# Altium PCB radxa_cm4_io_v1.10.PcbDoc (part 3 of 8) (continued)
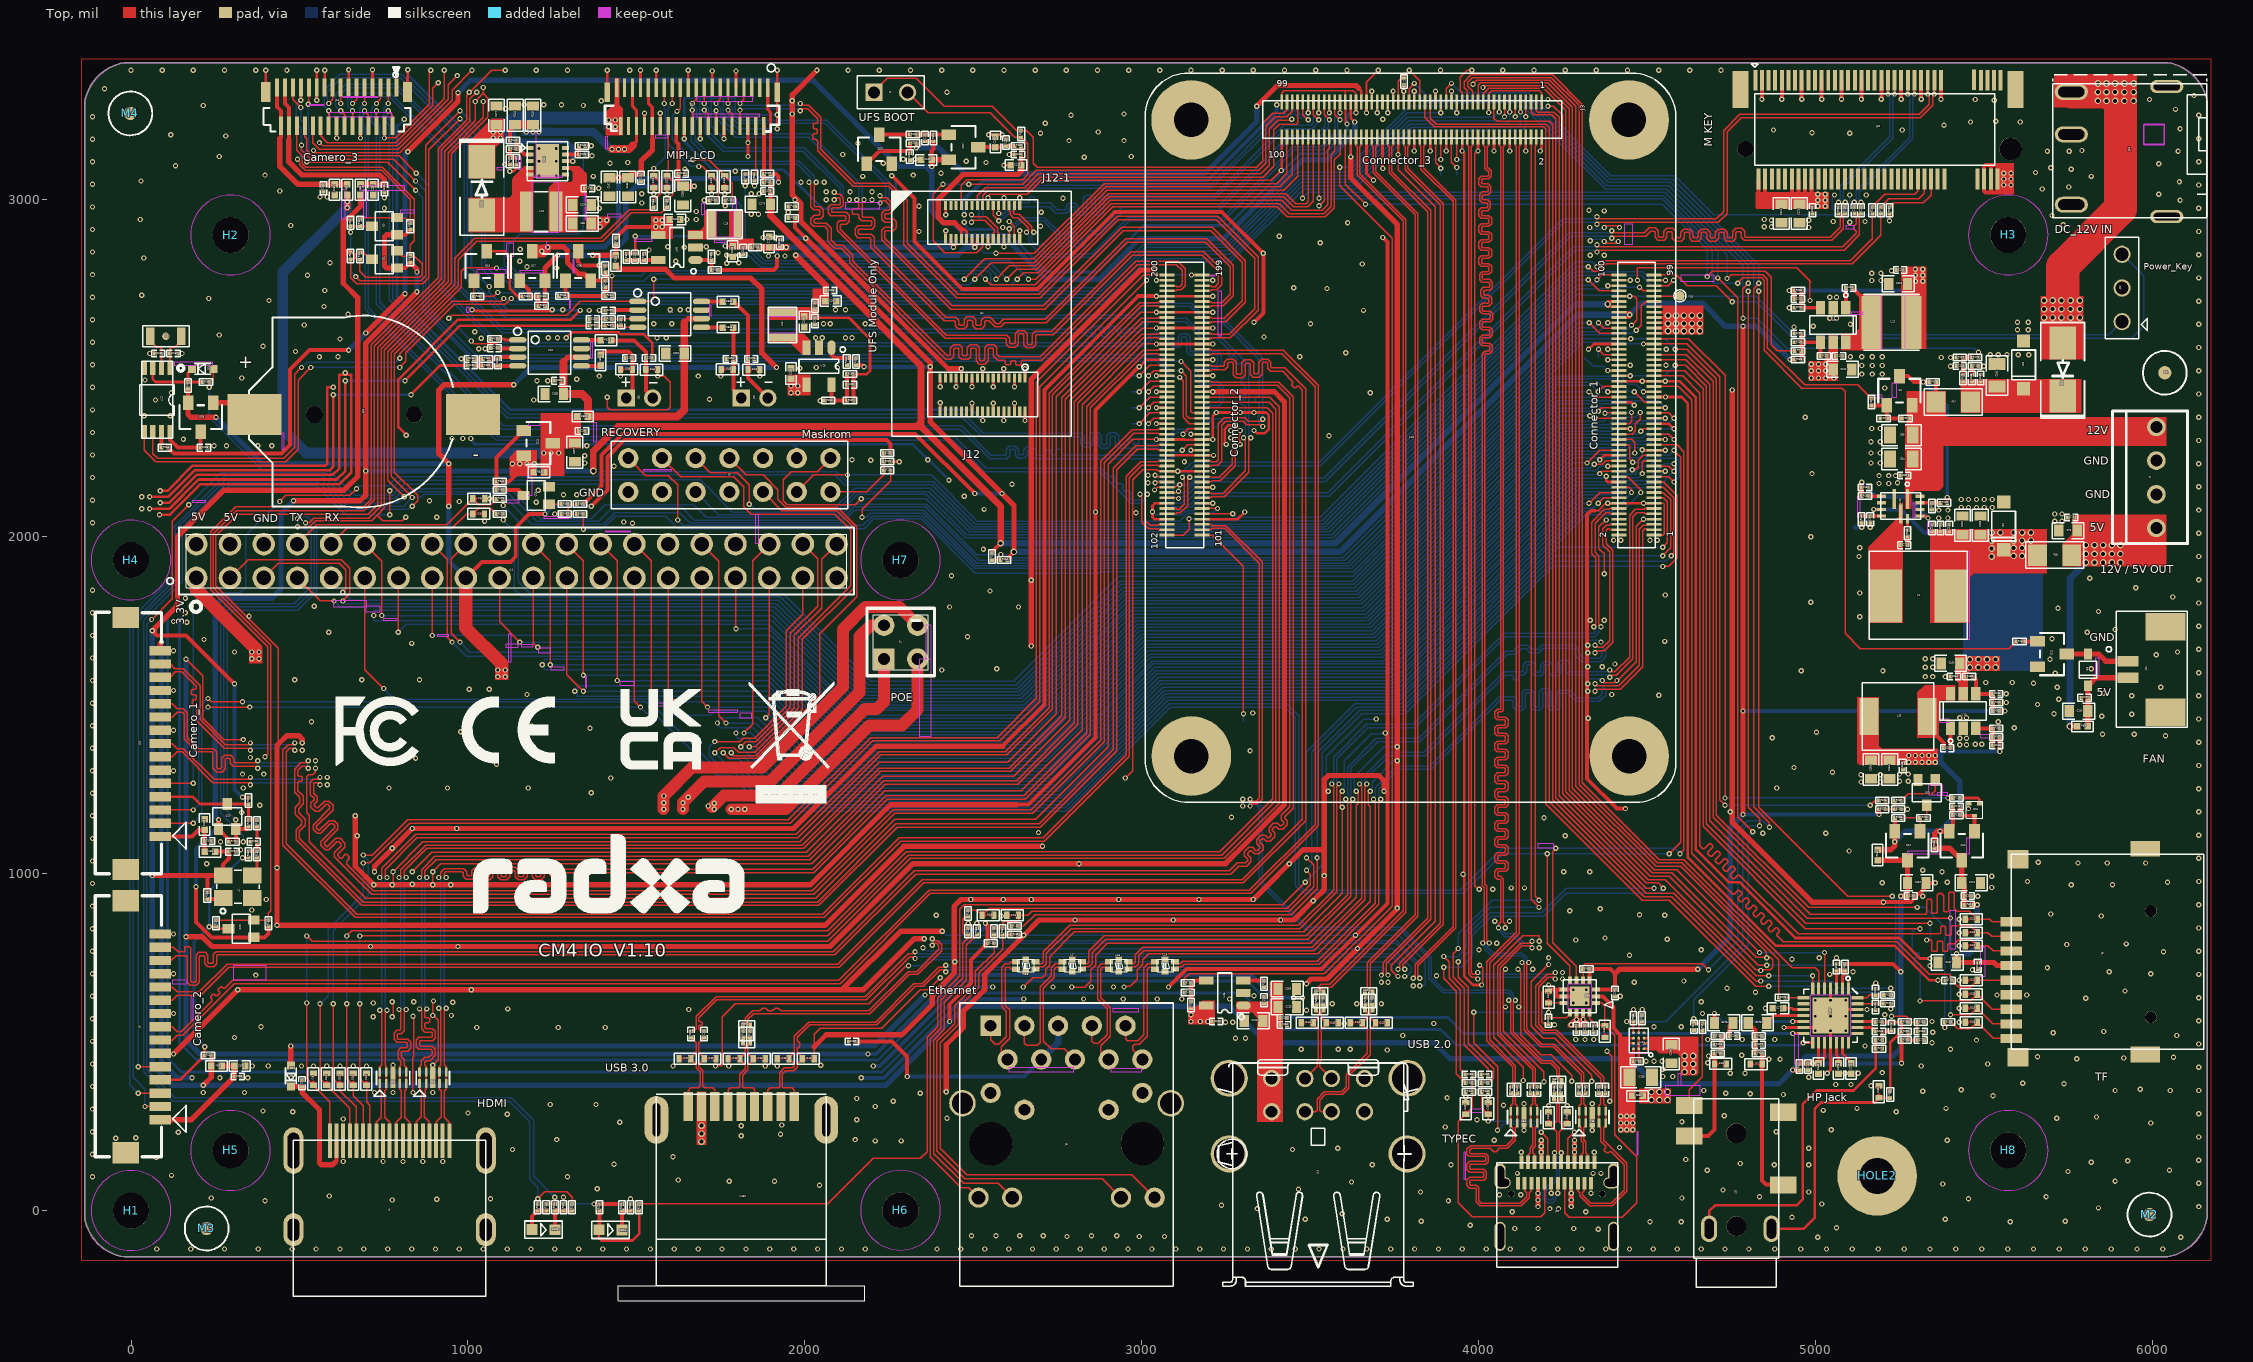
[diagram p0: Top view]
## Nets (pads, with @x,y where several pads share a name; then routed paths per layer and width w, separated by ;. In a path a pad name is that pad's centre, name@x,y a point inside that pad or via, vN(x,y) a via of type N, cw(c..) or ccw(c..) an arc to the next point about the centre after c; other vN are vias at no path point) (continued)
  Top w15.75: J10.15@86.61,1661.42 86.61,1683.07 v1(90.55,1687.01) ; v1(125.98,464.57) v1(316.93,655.51) v1(1009.84,655.51) 2110.24,655.51 ; v1(163.39,812.99) 210.63,812.99 240.16,783.46 v1(710.63,783.46) v1(970.47,783.46) 2074.8,783.46 2320.87,1029.53 v1(2812.99,1029.53) 3248.34,1029.53 3313.3,1094.49 3423.23,1204.72 3423.23,2399.61 3392.91,2429.92 v1(3210.24,2429.92) ; v1(507.87,1387.8) 507.87,1399.61 498.03,1409.45 462.6,1409.45 437.01,1383.86 433.07,1379.92 v1(433.07,846.46) 2059.06,846.46 2293.31,1080.71 v1(2704.72,1080.71) ; v1(665.35,1171.26) 665.35,1021.65 v1(720.47,966.54) v1(775.59,966.54) 777.56,966.54 v1(895.67,966.54) v1(948.82,966.54) 2015.75,966.54 2253.94,1204.72 2627.95,1204.72 ; v1(722.44,1005.91) 722.44,1021.65 v1(775.59,1074.8) v1(834.65,1133.86) 1966.54,1133.86 2210.63,1377.95 2586.61,1377.95 ; 2027.56,486.22 2062.99,521.65 2287.4,521.65 2377.95,612.2 2377.95,639.76 2442.91,704.72 2442.91,903.54 2462.6,923.23 v1(2492.13,923.23) v1(2588.58,923.23) v1(2671.26,923.23) v1(2931.1,923.23) v1(3169.29,923.23) v1(3330.71,923.23) 3478.35,1070.87 3541.34,1070.87 ; v1(2035.43,3383.86) 1962.6,3311.02 1962.6,3013.78 1988.19,2988.19 1988.19,2935.04 2425.2,2498.03 v1(2464.17,2498.03) ; v1(2354.33,807.09) 2324.8,807.09 2173.23,655.51 2110.24,655.51 ; v1(2407.48,828.74) 2283.46,828.74 2110.24,655.51 ; v1(2419.29,352.36) 2419.29,492.13 2470.47,543.31 2470.47,592.52 2533.46,655.51 2533.46,700.79 v1(2649.61,816.93) 2694.88,862.2 v1(2801.18,862.2) v1(3092.52,862.2) v1(3411.42,862.2) 3450.79,862.2 v1(3507.87,919.29) 3541.34,952.76 v1(3541.34,994.09) 3541.34,1070.87 ; v1(2671.26,1675.2) 2671.26,2466.54 2996.06,2791.34 v1(3037.4,2791.34) ; v1(3488.19,673.23) 3501.97,687.01 3549.21,687.01 v1(3639.76,777.56) 3757.87,895.67 v1(3757.87,897.64) v1(3757.87,1334.65) v1(3757.87,1375.98) 3757.87,2926.38 3619.29,3064.96 v1(3619.29,3126.77) ; v1(3718.5,1244.09) 3718.5,1275.59 3702.76,1291.34 3553.15,1291.34 3541.34,1279.53 3541.34,1070.87 ; v1(4751.97,2435.04) 4751.97,1151.57 4988.19,915.35 v1(5200.79,915.35)
  GND w7.87: v1(84.65,2064.96) 96.46,2053.15 96.46,1816.93 125.98,1787.4 v1(125.98,1748.03) ; v1(86.61,2100.39) 100.39,2100.39 124.02,2076.77 124.02,1830.71 157.48,1797.24 169.29,1797.24 183.07,1783.46 183.07,1763.78 v1(165.35,1746.06) ; v1(86.61,2135.83) 110.24,2135.83 151.57,2094.49 151.57,1852.36 179.13,1824.8 v1(179.13,1793.31)
  Power w3.94: v1(889.76,3383.86) 889.76,3342.52 899.61,3332.68 v1(1045.28,3332.68) 1064.96,3332.68 1070.87,3338.58 2057.09,3338.58 2155.51,3240.16 2606.3,3240.16 2704.72,3338.58 3687.01,3338.58 3698.82,3326.77 3698.82,3283.46 ; v1(929.13,3383.86) 958.66,3354.33 1045.28,3354.33 1049.21,3358.27 2064.96,3358.27 2163.39,3259.84 2598.43,3259.84 2696.85,3358.27 3694.88,3358.27 3720.47,3332.68 3720.47,3301.18 3746.06,3275.59 3746.06,3250 3734.25,3238.19 v1(3714.57,3238.19) 3714.57,3267.72 3698.82,3283.46 ; v1(1003.94,3318.9) 1017.72,3305.12 1070.87,3305.12 1084.65,3318.9 2049.21,3318.9 2147.64,3220.47 2614.17,3220.47 2712.6,3318.9 3663.39,3318.9 3698.82,3283.46 ; v1(1021.65,3291.34) 1035.43,3277.56 1072.83,3277.56 1094.49,3299.21 2041.34,3299.21 2139.76,3200.79 2622.05,3200.79 2720.47,3299.21 3625.59,3299.21 v1(3666.54,3258.27) ; v1(2035.43,3383.86) 2066.93,3383.86 2171.26,3279.53 2590.55,3279.53 2683.07,3372.05 v1(2683.07,3383.86)
  Bottom w3.94: v1(328.74,1181.1) 285.43,1224.41 285.43,1763.78 303.15,1781.5 494.09,1781.5 551.18,1838.58 551.18,2031.5 523.62,2059.06 494.09,2059.06 v1(494.09,2053.15) v1(494.09,2029.53) 494.09,2023.62 519.69,2023.62 535.43,2007.87 535.43,1852.36 484.25,1801.18 287.4,1801.18 265.75,1779.53 265.75,1179.13 332.68,1112.2 v1(332.68,1094.49) ; 1641.73,3301.18 1687.01,3301.18 ; v1(1688.98,3181.1) 1688.98,3224.51 1687.01,3226.48 1687.01,3301.18 ; v1(1759.84,3181.1) 1722.44,3218.5 1722.44,3301.18 ; v1(1917.32,3210.63) 1801.18,3210.63 1757.87,3253.94 1757.87,3301.18 ; v1(1917.32,3251.97) 1801.38,3251.97 1793.31,3260.04 1793.31,3301.18 1757.87,3301.18 ; v1(2307.09,726.38) 2346.46,726.38 2364.17,744.09 2452.76,744.09 2458.66,738.19 3730.32,738.19 3742.13,726.38 3742.13,710.63 3757.87,694.88 v1(3759.84,694.88) ; v1(2350.39,779.53) 2358.27,771.65 2397.64,771.65 2403.54,777.56 v1(3639.76,777.56) 3744.09,777.56 3799.21,722.44 3799.21,708.66 3785.43,694.88 v1(3779.53,694.88) ; v1(2407.48,828.74) 2419.29,816.93 v1(3633.86,816.93) 3761.81,816.93 3840.55,738.19 3840.55,673.23 3834.65,667.32 v1(3824.8,667.32) ; v1(3031.1,2073.62) 3039.76,2064.96 3120.08,2064.96 3131.89,2076.77 3153.54,2076.77 3175.98,2099.21 v1(3210.24,2099.21) ; v1(3210.24,2146.46) 3175.52,2146.46 3137.33,2108.27 3124.85,2108.27 3115,2098.43 3096.46,2098.43 3092.52,2102.36 3092.52,2149.48 3098.43,2155.39 3111.15,2155.39 v1(3112.2,2154.33) 3139.76,2154.33 3179.13,2193.7 v1(3212.2,2193.7) ; v1(3553.15,1244.09) 3547.24,1250 3547.24,1348.43 3657.48,1458.66 v1(3694.88,1458.66) ; v1(3594.49,1244.09) 3600.39,1250 3600.39,1334.65 3681.1,1415.35 3720.47,1415.35 v1(3722.44,1417.32) ; v1(3635.83,1244.09) 3629.92,1250 3629.92,1287.4 3718.5,1375.98 v1(3757.87,1375.98) ; v1(3677.17,1244.09) 3683.07,1250 3683.07,1271.65 3746.06,1334.65 v1(3757.87,1334.65) ; v1(4322.83,1562.99) 4322.83,1578.74 4360.24,1578.74 v1(4366.14,1572.83) ; v1(4322.83,1677.17) 4322.83,1692.91 4356.3,1692.91 v1(4362.2,1687.01) ; v1(4328.74,2917.32) 4334.65,2911.42 4366.14,2911.42 v1(4372.05,2917.32) ; v1(4330.71,2877.95) 4334.65,2881.89 4366.14,2881.89 v1(4372.05,2875.98) ; v1(4377.95,2179.13) 4372.05,2173.23 4287.4,2173.23 3726.38,1612.2 3037.4,1612.2 2728.35,1303.15 2019.68,1303.15 1860.24,1462.6 1746.06,1462.6 1746.06,1433.07 1799.21,1433.07 ; v1(4448.82,2319.69) 4421.26,2319.69 4404.72,2303.15 4251.97,2303.15 3679.13,1730.32 2990.16,1730.32 2681.1,1421.26 2106.3,1421.26 1891.73,1635.83 1226.38,1635.83 1226.38,1604.33 1891.73,1604.33 2094.49,1401.57 2688.98,1401.57 2998.03,1710.63 3687.01,1710.63 4259.84,2283.46 4419.29,2283.46 4429.13,2293.31 4484.25,2293.31 4510.63,2319.69 v1(4578.74,2319.69) ; v1(4449.21,2760.63) v1(4470.47,2760.63) ; v1(4460.63,2389.76) 4456.69,2393.7 4232.28,2393.7 3647.64,1809.06 2958.66,1809.06 2649.61,1500 2153.54,1500 1903.54,1750 720.47,1750 v1(720.47,1765.75) 720.47,1781.5 1903.54,1781.5 2165.35,1519.69 2641.73,1519.69 2950.79,1828.74 3639.76,1828.74 4224.41,2413.39 4371.26,2413.39 4372.05,2414.17 v1(4553.54,2414.17) ; v1(4578.74,2162.2) 4594.49,2177.95 4594.49,2224.41 4586.61,2232.28 4529.53,2232.28 4505.91,2208.66 4480.32,2208.66 4468.5,2196.85 4468.5,2188.98 4464.57,2185.04 4427.17,2185.04 4395.67,2153.54 4295.28,2153.54 3734.25,1592.52 3045.28,1592.52 2736.22,1283.46 1996.06,1283.46 1846.46,1433.07 1799.21,1433.07 ; v1(4578.74,2216.54) 4549.21,2216.54 4498.03,2165.35 4437.01,2165.35 4405.51,2133.86 4303.15,2133.86 3742.13,1572.83 3053.15,1572.83 2744.09,1263.78 1968.5,1263.78 1830.71,1401.57 1799.21,1401.57 1799.21,1433.07 ; v1(5055.12,3013.78) 5049.21,3007.87 5049.21,2972.44 5100.39,2972.44 v1(5100.39,3013.78) ; 1687.01,3301.18 1722.44,3301.18 ; 1722.44,3301.18 1757.87,3301.18 ; 1324.8,1525.59 1891.73,1525.59 2064.96,1352.36 2708.66,1352.36 3017.72,1661.42 3706.69,1661.42 4279.53,2234.25 4476.38,2234.25 4484.25,2242.13 v1(4484.25,2257.87) 4478.35,2263.78 4442.91,2263.78 4433.07,2253.94 4271.65,2253.94 3698.82,1681.1 3009.84,1681.1 2700.79,1372.05 2076.77,1372.05 1891.73,1557.09 1324.8,1557.09 1324.8,1525.59
  Bottom w7.87: v1(811.02,3238.19) 793.31,3220.47 789.37,3220.47 789.37,2712.6 1125.98,2375.98 2495.67,2375.98 v1(2527.17,2344.49) ; v1(820.87,3385.83) 820.87,3372.05 1009.84,3183.07 1009.84,2795.28 v1(1062.99,2742.13) 1062.99,2726.38 1118.11,2671.26 v1(1332.68,2671.26) ; v1(1007.87,2291.34) 1019.69,2273.62 1964.57,2273.62 ; 1641.73,3301.18 v1(1641.73,3181.1) 1641.73,3173.23 1726.38,3088.58 1937.01,3088.58 2053.15,2972.44 2240.16,2972.44 2269.68,3001.97 2269.68,3059.06 v1(2257.87,3070.87) ; J17.12@1975.59,2232.68 1975.59,2262.6 1964.57,2273.62 ; v1(2427.17,2167.32) 2320.87,2273.62 1964.57,2273.62 ; v1(2472.44,2933.07) 2472.44,2927.17 2488.19,2911.42 2561.02,2911.42 2574.8,2897.64 2606.3,2897.64 2718.5,2785.43 2866.14,2785.43 3003.94,2923.23 3255.91,2923.23 3468.5,3135.83 3541.34,3135.83 3608.27,3202.76 v1(3608.27,3224.41) 3608.27,3248.43 3618.11,3258.27 v1(3635.04,3258.27)
  Bottom w11.81: v1(2167.32,393.7) 2234.25,393.7 2468.5,627.95 v1(2649.61,627.95) ; v1(2187.01,464.57) 2210.63,464.57 2444.88,698.82 3324.8,698.82 3391.73,631.89 v1(3450.79,631.89) ; v1(2202.76,429.13) 2222.44,429.13 2456.69,663.39 v1(2557.09,663.39) ; v1(2472.44,2954.72) 2472.44,3000 2529.53,3057.09 3194.88,3057.09 3399.61,3261.81 v1(3399.61,3281.5)
  Bottom w15.75: v1(90.55,1687.01) 90.55,440.94 137.8,393.7 v1(181.1,393.7) ; v1(163.39,1635.83) v1(163.39,812.99) 163.39,505.91 204.72,464.57 v1(2187.01,464.57)
  other v1: 76.77,-114.17 177.17,-114.17 277.56,-114.17 377.95,-114.17 478.35,-114.17 549.21,-114.17 620.08,-114.17 690.94,-114.17 761.81,-114.17 832.68,-114.17 903.54,-114.17 974.41,-114.17 1045.28,-114.17 1116.14,-114.17 1187.01,-114.17 1257.87,-114.17 1328.74,-114.17 1399.61,-114.17 1470.47,-114.17 1541.34,-114.17 1612.2,-114.17 1683.07,-114.17 1753.94,-114.17 1824.8,-114.17 1895.67,-114.17 1966.54,-114.17 2037.4,-114.17 2108.27,-114.17 2179.13,-114.17 2391.73,-114.17 2462.6,-114.17 2533.46,-114.17 2604.33,-114.17 2675.2,-114.17 2746.06,-114.17 2816.93,-114.17 2887.8,-114.17 2958.66,-114.17 3029.53,-114.17 3100.39,-114.17 3171.26,-114.17 3242.13,-114.17 3312.99,-114.17 3383.86,-114.17 3454.72,-114.17 3525.59,-114.17 3596.46,-114.17 3667.32,-114.17 3738.19,-114.17 3809.06,-114.17 3879.92,-114.17 3950.79,-114.17 4021.65,-114.17 4092.52,-114.17 4163.39,-114.17 4234.25,-114.17 4305.12,-114.17 4375.98,-114.17 4446.85,-114.17 4517.72,-114.17 4588.58,-114.17 4659.45,-114.17 4730.32,-114.17 4801.18,-114.17 4877.95,-114.17 4954.72,-114.17 5031.5,-114.17 5108.27,-114.17 5185.04,-114.17 5261.81,-114.17 5338.58,-114.17 5415.35,-114.17 5492.13,-114.17 5568.9,-114.17 5645.67,-114.17 5722.44,-114.17 5799.21,-114.17 5875.98,-114.17 5952.76,-114.17 6029.53,-114.17 5005.91,-78.74 6082.68,-78.74 2777.56,-76.77 2992.13,-76.77 3066.93,-76.77 2494.09,-74.8 2566.93,-74.8 2637.8,-74.8 2706.69,-74.8 2850.39,-74.8 2925.2,-74.8 4354.33,-55.12 4106.3,-53.15 4175.2,-53.15 4281.5,-53.15 5061.02,-51.18 3974.41,-43.31 4507.87,-33.46 4600.39,-33.46 5576.77,-33.46 3828.74,-31.5 5740.16,-31.5 3484.25,-25.59 3728.35,-25.59 5383.86,-25.59 4929.13,-19.68 3594.49,-9.84 4098.43,-3.94 4316.93,-3.94 3342.52,5.91 4210.63,5.91 4236.22,5.91 5838.58,7.87 6135.83,11.81 3236.22,15.75 5017.72,19.69 397.64,29.53 3909.45,29.53 775.59,31.5 907.48,33.46 1066.93,35.43 1482.28,35.43 5452.76,35.43 238.19,37.4 4602.36,37.4 1283.46,39.37 4832.68,41.34 5683.07,41.34 588.58,43.31 4061.02,47.24 4124.02,47.24 4332.68,51.18 3826.77,55.12 4978.35,55.12 4724.41,61.02 3464.57,62.99 1383.86,64.96 2043.31,74.8 5375.98,78.74 6135.83,80.71 3622.05,84.65 1775.59,86.61 1909.45,86.61 5887.8,86.61 1624.02,90.55 -114.17,100.39 1295.28,100.39 120.08,104.33 4114.17,110.24 4338.58,110.24 4362.2,110.24 5748.03,116.14 4677.17,120.08 6049.21,120.08 3683.07,135.83 3917.32,135.83 4875.98,135.83 4978.35,135.83 1433.07,137.8 4775.59,139.76 5816.93,143.7 629.92,145.67 748.03,145.67 807.09,145.67 866.14,145.67 925.2,145.67 5925.2,147.64 6135.83,149.61 4614.17,151.57 74.8,157.48 1608.27,159.45 -114.17,167.32 4125.98,173.23 4342.52,173.23 1131.89,181.1 3446.85,181.1 3580.71,185.04 4978.35,185.04 4417.32,187.01 2208.66,206.69 2285.43,206.69 4045.28,208.66 5389.76,208.66 1263.78,210.63 2149.61,210.63 -45.28,214.57 13.78,216.54 6135.83,218.5 1811.02,222.44 1927.17,226.38 139.76,232.28 -114.17,234.25 4881.89,234.25 4133.86,238.19 4336.61,238.19 5045.28,240.16 3899.61,248.03 1811.02,251.97 1931.1,253.94 5994.09,259.84 1450.79,261.81 4602.36,263.78 2153.54,269.69 3994.09,269.69 629.92,271.65 2421.26,273.62 5714.57,273.62 5832.68,277.56 4728.35,281.5 1116.14,285.43 6135.83,287.4 1000,289.37 480.31,293.31 5238.19,293.31 391.73,295.28 5021.65,297.24 -114.17,301.18 5122.05,303.15 5385.83,303.15 2208.66,309.06 4206.69,311.02 4261.81,311.02 4072.83,312.99 1244.09,314.96 1379.92,314.96 4133.86,316.93 4336.61,316.93 2261.81,324.8 2153.54,332.68 3905.51,334.65 3960.63,336.61 4027.56,336.61 5525.59,340.55 4903.54,344.49 4805.12,346.46 2342.52,348.43 4732.28,348.43 214.57,350.39 336.61,350.39 722.44,350.39 777.56,350.39 895.67,350.39 5316.93,354.33 4667.32,356.3 5887.8,356.3 6051.18,356.3 6135.83,356.3 5431.1,358.27 5962.6,360.24 -114.17,368.11 5163.39,370.08 5059.06,374.02 5104.33,374.02 5736.22,375.98 5614.17,377.95 263.78,393.7 346.46,393.7 476.38,393.7 4978.35,395.67 4545.28,397.64 4574.8,397.64 4746.06,407.48 4789.37,407.48 5086.61,407.48 5125.98,407.48 5196.85,409.45 4545.28,419.29 6135.83,425.2 360.24,429.13 407.48,429.13 505.91,429.13 541.34,429.13 580.71,429.13 620.08,429.13 659.45,429.13 698.82,429.13 1608.27,429.13 1773.62,429.13 1881.89,429.13 1917.32,429.13 5312.99,429.13 777.56,431.1 2047.24,431.1 -114.17,435.04 5509.84,435.04 4679.13,438.98 4496.06,442.91 4519.68,442.91 4543.31,442.91 4860.24,448.82 4893.7,448.82 5773.62,450.79 5913.39,452.76 6061.02,454.72 5657.48,456.69 4681.1,458.66 4779.53,460.63 3728.35,476.38 3472.44,478.35 3582.68,478.35 3618.11,478.35 5399.61,478.35 5145.67,488.19 6135.83,494.09 5344.49,498.03 -114.17,501.97 5476.38,505.91 4287.4,507.87 4314.96,507.87 4340.55,507.87 4679.13,507.87 4781.5,507.87 4877.95,507.87 3277.56,511.81 3307.09,511.81 307.09,513.78 3773.62,519.69 6070.87,519.69 5704.72,527.56 5346.46,529.53 5854.33,531.5 4998.03,533.46 5043.31,533.46 5088.58,533.46 1025.59,543.31 1267.72,543.31 1407.48,543.31 385.83,545.28 4519.68,545.28 4600.39,545.28 4224.41,551.18 3600.39,555.12 3866.14,555.12 3248.03,559.06 3269.68,559.06 5425.2,559.06 5344.49,561.02 6135.83,562.99 -114.17,568.9 718.5,574.8 4998.03,576.77 5088.58,576.77 895.67,578.74 950.79,578.74 5204.72,580.71 125.98,584.65 4663.39,584.65 3488.19,594.49 1655.51,596.46 4458.66,596.46 4484.25,596.46 5151.57,596.46 1118.11,598.43 4805.12,600.39 4850.39,600.39 5425.2,600.39 4078.74,604.33 4118.11,604.33 3564.96,614.17 3637.8,614.17 3710.63,614.17 718.5,616.14 4318.9,616.14 954.72,618.11 838.58,620.08 4659.45,620.08 4998.03,624.02 5043.31,624.02 5088.58,624.02 2826.77,627.95 2944.88,627.95 3045.28,627.95 3118.11,627.95 3259.84,627.95 5801.18,629.92 3476.38,631.89 6135.83,631.89 -114.17,635.83 4419.29,635.83 3332.68,637.8 5537.4,639.76 5625.98,639.76 5425.2,641.73 4820.87,647.64 5917.32,651.57 4279.53,655.51 4736.22,659.45 2736.22,663.39 2850.39,663.39 2915.35,663.39 3805.12,667.32 4206.69,669.29 5177.17,675.2 3710.63,677.17 3730.32,677.17 4460.63,677.17 4608.27,681.1 5425.2,683.07 4248.03,687.01 3874.02,696.85 370.08,698.82 5041.34,700.79 6135.83,700.79 -114.17,702.76 125.98,702.76 5994.09,702.76 4248.03,706.69 5110.24,708.66 5870.08,708.66 4836.61,712.6 5464.57,714.57 4159.45,716.54 5687.01,720.47 5338.58,726.38 2444.88,738.19 4929.13,746.06 4206.69,750 5009.84,750 5061.02,750 4446.85,757.87 6031.5,767.72 -114.17,769.69 6135.83,769.69 4000,773.62 4659.45,773.62 4179.13,779.53 5425.2,785.43 5744.09,789.37 5921.26,791.34 4053.15,793.31 4287.4,803.15 4559.06,805.12 4374.02,809.06 125.98,820.87 5425.2,824.8 -114.17,836.61 6135.83,838.58 2509.84,852.36 4047.24,858.27 4090.55,858.27 5425.2,864.17 2582.68,874.02 5846.46,874.02 2389.76,875.98 4551.18,875.98 4476.38,877.95 5696.85,879.92 4269.68,889.76 358.27,891.73 4360.24,895.67 -114.17,903.54 6135.83,907.48 401.57,923.23 5316.93,933.07 5480.32,933.07 4040.55,953.54 4095.67,957.48 4135.04,957.48 5521.65,958.66 5757.87,966.54 5879.92,966.54 834.65,968.5 -114.17,970.47 5196.85,972.44 5389.76,974.41 6043.31,974.41 5627.95,976.38 6135.83,976.38 5521.65,992.13 3952.76,998.03 4251.97,1005.91 4328.74,1005.91 5374.02,1005.91 5316.93,1009.84 433.07,1017.72 224.41,1029.53 3437.01,1029.53 5777.56,1031.5 5864.17,1031.5 5978.35,1031.5 5659.45,1033.46 -114.17,1037.4 6135.83,1045.28 5098.43,1066.93 324.8,1070.87 265.75,1094.49 -114.17,1104.33 671.26,1112.2 4255.91,1112.2 6135.83,1114.17 4842.52,1120.08 5029.53,1120.08 2692.91,1122.05 966.54,1133.86 4192.91,1165.35 3265.75,1167.32 -114.17,1171.26 4746.06,1183.07 6135.83,1183.07 5271.65,1190.94 5452.76,1192.91 3299.21,1200.79 381.89,1202.76 3299.21,1220.47 -114.17,1238.19 1366.14,1240.16 6135.83,1251.97 332.68,1253.94 765.75,1253.94 938.98,1253.94 1179.13,1253.94 4883.86,1253.94 582.68,1263.78 5133.86,1271.65 5190.94,1271.65 5248.03,1273.62 5273.62,1273.62 1423.23,1283.46 582.68,1285.43 5133.86,1293.31 5190.94,1293.31 330.71,1295.28 393.7,1295.28 5248.03,1295.28 5273.62,1295.28 5049.21,1301.18 -114.17,1305.12 125.98,1305.12 4935.04,1314.96 1537.4,1318.9 6135.83,1320.87 1084.65,1324.8 547.24,1334.65 844.49,1342.52 354.33,1344.49 3320.87,1364.17 507.87,1366.14 -114.17,1372.05 5427.17,1381.89 5446.85,1381.89 5472.44,1383.86 5492.13,1383.86 6135.83,1389.76 5427.17,1401.57 5446.85,1401.57 4870.08,1403.54 6037.4,1409.45 5850.39,1413.39 5944.88,1413.39 1795.28,1417.32 5001.97,1419.29 978.35,1421.26 125.98,1425.2 1362.2,1431.1 5588.58,1433.07 722.44,1435.04 1188.98,1437.01 -114.17,1438.98 1740.16,1446.85 535.43,1450.79 5541.34,1450.79 6135.83,1458.66 4324.8,1460.63 5427.17,1462.6 5446.85,1462.6 5848.43,1466.54 1472.44,1470.47 5937.01,1472.44 5706.69,1474.41 3328.74,1476.38 5657.48,1501.97 -114.17,1505.91 5564.96,1507.87 5720.47,1517.72 5937.01,1527.56 6135.83,1527.56 4533.46,1529.53 1175.2,1531.5 4393.7,1531.5 5564.96,1533.46 5852.36,1535.43 1316.93,1541.34 4322.83,1541.34 125.98,1543.31 1003.94,1547.24 1062.99,1547.24 5716.54,1553.15 6023.62,1553.15 5645.67,1564.96 5503.94,1566.93 5582.68,1566.93 -114.17,1572.83 486.22,1574.8 685.04,1574.8 856.3,1574.8 5324.8,1584.65 5346.46,1584.65 5383.86,1584.65 5710.63,1594.49 6135.83,1596.46 4956.69,1602.36 5198.82,1602.36 2405.51,1604.33 2568.9,1608.27 5816.93,1608.27 5324.8,1612.2 5346.46,1612.2 4322.83,1614.17 4366.14,1614.17 1220.47,1620.08 4403.54,1622.05 5694.88,1635.83 5324.8,1637.8 5346.46,1637.8 -114.17,1639.76 6009.84,1649.61 4322.83,1655.51 307.09,1657.48 6072.83,1657.48 125.98,1661.42 6135.83,1665.35 832.68,1683.07 4551.18,1688.98 216.54,1694.88 5700.79,1696.85 2482.28,1702.76 -114.17,1706.69 586.61,1716.54 5805.12,1716.54 5887.8,1724.41 6135.83,1734.25 4330.71,1751.97 4372.05,1751.97 5129.92,1761.81 350.39,1763.78 -114.17,1773.62 5838.58,1777.56 5718.5,1787.4 2429.13,1791.34 2633.86,1791.34 543.31,1793.31 6135.83,1803.15 4984.25,1805.12 6059.06,1820.87 4553.15,1826.77 5129.92,1832.68 2549.21,1838.58 -114.17,1840.55 5948.82,1848.43 2671.26,1870.08 6135.83,1872.05 5812.99,1875.98 2435.04,1883.86 5127.95,1940.94 6135.83,1940.94 2529.53,1962.6 5129.92,1966.54 4399.61,1988.98 4421.26,1988.98 4507.87,1988.98 4529.53,1988.98 4984.25,2000 6135.83,2009.84 5161.42,2027.56 1488.19,2039.37 -114.17,2041.34 1462.6,2043.31 1049.21,2045.28 5708.66,2045.28 5730.32,2045.28 5364.17,2055.12 5391.73,2055.12 907.48,2057.09 1257.87,2066.93 5708.66,2066.93 5730.32,2066.93 2982.28,2070.87 5364.17,2078.74 5391.73,2078.74 6135.83,2078.74 2531.5,2080.71 31.5,2082.68 5431.1,2086.61 5452.76,2086.61 5476.38,2086.61 5500,2086.61 5523.62,2086.61 4488.19,2099.21 1202.76,2102.36 974.41,2104.33 885.83,2106.3 -114.17,2108.27 5431.1,2110.24 5452.76,2110.24 5476.38,2110.24 5500,2110.24 5523.62,2110.24 1064.96,2112.2 31.5,2118.11 2472.44,2120.08 1283.46,2124.02 1322.83,2124.02 1208.66,2137.8 6135.83,2147.64 2614.17,2155.51 5187.01,2157.48 5216.54,2157.48 5242.13,2159.45 3017.72,2160.24 -114.17,2175.2 5187.01,2181.1 5216.54,2181.1 5236.22,2181.1 3017.72,2181.89 4988.19,2187.01 3106.3,2193.7 1433.07,2208.66 6135.83,2216.54 1346.46,2218.5 5163.39,2218.5 5190.94,2218.5 3125.98,2222.44 2194.88,2226.38 2139.76,2228.35 2364.17,2228.35 1346.46,2240.16 -114.17,2242.13 5163.39,2248.03 5190.94,2248.03 246.06,2269.69 283.46,2269.69 375.98,2269.69 417.32,2269.69 1352.36,2269.69 5163.39,2281.5 5190.94,2281.5 6135.83,2285.43 155.51,2289.37 952.76,2291.34 984.25,2291.34 3555.12,2299.21 -114.17,2309.06 5165.35,2320.87 5190.94,2320.87 4968.5,2354.33 6135.83,2354.33 39.37,2358.27 116.14,2358.27 -114.17,2375.98 2045.28,2403.54 72.83,2405.51 1194.88,2405.51 1716.54,2407.48 6135.83,2423.23 120.08,2427.17 3677.17,2427.17 5204.72,2440.94 -114.17,2442.91 4484.25,2461.42 1204.72,2462.6 1236.22,2462.6 41.34,2464.57 1322.83,2466.54 328.74,2470.47 1389.76,2476.38 1452.76,2476.38 1683.07,2476.38 1750,2476.38 1866.14,2476.38 5135.83,2482.28 5167.32,2482.28 5196.85,2482.28 635.83,2486.22 6135.83,2492.13 1984.25,2500 2033.46,2501.97 2096.46,2501.97 5399.61,2505.91 5498.03,2505.91 4449.21,2508.66 4555.12,2508.66 5135.83,2507.87 5167.32,2507.87 5196.85,2507.87 -114.17,2509.84 980.31,2527.56 5372.05,2531.5 5399.61,2531.5 559.06,2533.46 614.17,2533.46 3468.5,2533.46 5102.36,2533.46 5135.83,2533.46 5167.32,2533.46 5196.85,2533.46 5517.72,2539.37 5541.34,2539.37 5566.93,2539.37 5600.39,2539.37 5631.89,2539.37 55.12,2543.31 151.57,2543.31 3604.33,2545.28 488.19,2549.21 4555.51,2555.91 1031.5,2557.09 1051.18,2557.09 6135.83,2561.02 391.73,2564.96 -114.17,2576.77 620.08,2586.61 1039.37,2588.58 1238.19,2590.55 1265.75,2590.55 1561.02,2590.55 1588.58,2590.55 2031.5,2590.55 2051.18,2590.55 2120.08,2590.55 2139.76,2590.55 3362.2,2592.52 261.81,2598.43 1019.69,2608.27 5598.43,2614.17 5629.92,2614.17 4935.04,2622.05 4992.13,2624.02 513.78,2627.95 5102.36,2629.92 6135.83,2629.92 1551.18,2631.89 1604.33,2631.89 2055.12,2631.89 2074.8,2631.89 2179.13,2631.89 3500,2631.89 5598.43,2635.83 5629.92,2635.83 -114.17,2643.7 5041.34,2647.64 5061.02,2647.64 643.7,2659.45 1360.24,2671.26 1389.76,2671.26 3657.48,2671.26 1281.5,2673.23 1600.39,2673.23 1629.92,2673.23 1653.54,2673.23 2090.55,2673.23 2120.08,2673.23 4921.26,2679.13 572.83,2683.07 6135.83,2698.82 409.45,2700.79 230.31,2706.69 -114.17,2710.63 5041.34,2710.63 5061.02,2710.63 31.5,2716.54 574.8,2730.32 3549.21,2736.22 3450.79,2738.19 3042.91,2760.63 3210.24,2760.63 5165.35,2759.84 5192.91,2759.84 6135.83,2767.72 523.62,2775.59 -114.17,2777.56 5165.35,2781.5 5192.91,2781.5 5224.41,2789.37 1263.78,2797.24 1175.2,2801.18 3653.54,2809.06 1767.72,2811.02 590.55,2812.99 1803.15,2812.99 1153.54,2816.93 1616.14,2816.93 37.4,2826.77 1891.73,2832.68 1940.94,2832.68 1767.72,2834.65 1803.15,2834.65 4330.71,2834.65 4372.05,2834.65 6135.83,2836.61 1742.13,2842.52 -114.17,2844.49 1537.4,2850.39 1155.51,2852.36 1641.73,2858.27 1592.52,2860.24 1706.69,2860.24 3529.53,2872.05 1875.98,2887.8 1911.42,2887.8 3407.48,2891.73 2338.58,2905.51 6135.83,2905.51 -114.17,2911.42 2586.61,2917.32 4978.35,2917.32 4846.46,2919.29 4868.11,2919.29 2698.82,2921.26 474.41,2923.23 5734.25,2925.2 3610.24,2931.1 5100.39,2933.07 5051.18,2935.04 5145.67,2935.04 4868.11,2938.98 4978.35,2938.98 27.56,2940.94 1649.61,2940.94 1677.17,2940.94 4846.46,2940.94 5700.79,2952.76 1840.55,2956.69 1862.2,2956.69 2700.79,2962.6 1677.17,2964.57 4372.05,2966.54 4326.77,2968.5 751.97,2974.41 1389.76,2974.41 6135.83,2974.41 -114.17,2978.35 2338.58,2980.32 1515.75,2990.16 6080.71,2998.03 1970.47,3000 2062.99,3000 2131.89,3000 2198.82,3000 1389.76,3001.97 2765.75,3003.94 751.97,3005.91 2543.31,3005.91 2590.55,3005.91 2637.8,3005.91 561.02,3007.87 582.68,3007.87 5149.61,3013.78 6017.72,3015.75 1515.75,3017.72 1840.55,3017.72 1864.17,3017.72 2062.99,3023.62 2133.86,3023.62 2198.82,3023.62 440.94,3025.59 5671.26,3031.5 1387.8,3033.46 5750,3037.4 1850.39,3041.34 6135.83,3043.31 -114.17,3045.28 1988.19,3051.18 2057.09,3051.18 6078.74,3053.15 29.53,3055.12 1372.05,3068.9 2171.26,3068.9 5816.93,3068.9 1210.63,3070.87 1261.81,3070.87 397.64,3072.83 2320.87,3072.83 2403.54,3078.74 5651.57,3080.71 1793.31,3084.65 1643.7,3090.55 5757.87,3090.55 5696.85,3094.49 131.89,3100.39 6017.72,3106.3 1421.26,3108.27 2232.28,3108.27 1474.41,3110.24 2537.4,3110.24 -114.17,3112.2 6135.83,3112.2 1210.63,3114.17 1261.81,3114.17 2478.35,3114.17 2291.34,3120.08 2326.77,3120.08 2828.74,3125.98 261.81,3127.95 2968.5,3127.95 1368.11,3129.92 2112.2,3133.86 5687.01,3143.7 5751.97,3143.7 6074.8,3143.7 5789.37,3145.67 1210.63,3151.57 1261.81,3151.57 2157.48,3167.32 2783.46,3175.2 2946.85,3175.2 -114.17,3179.13 6135.83,3181.1 281.5,3188.98 118.11,3192.91 2698.82,3196.85 5100.39,3196.85 4988.19,3198.82 2870.08,3200.79 4874.02,3206.69 5255.91,3206.69 6080.71,3210.63 5379.92,3220.47 2712.6,3226.38 5458.66,3230.32 5606.3,3230.32 5533.46,3232.28 -114.17,3246.06 2789.37,3250 6135.83,3250 1962.6,3253.94 2946.85,3253.94 6066.93,3267.72 1112.2,3269.69 214.57,3279.53 1342.52,3279.53 1167.32,3281.5 1224.41,3281.5 1277.56,3281.5 1395.67,3293.31 1962.6,3293.31 5529.53,3295.28 4204.72,3297.24 5472.44,3297.24 5990.16,3297.24 6122.05,3309.06 2421.26,3318.9 -78.74,3328.74 0,3383.86 92.52,3383.86 185.04,3383.86 277.56,3383.86 370.08,3383.86 462.6,3383.86 1202.76,3383.86 1295.28,3383.86 1480.32,3383.86 2127.95,3383.86 2220.47,3383.86 2312.99,3383.86 2405.51,3383.86 2498.03,3383.86 2590.55,3383.86 2775.59,3383.86 2868.11,3383.86 2960.63,3383.86 3053.15,3383.86 3145.67,3383.86 3238.19,3383.86 3330.71,3383.86 3423.23,3383.86 3515.75,3383.86 3608.27,3383.86 3885.83,3383.86 4070.87,3383.86 4163.39,3383.86 4255.91,3383.86 4348.43,3383.86 4440.94,3383.86 4533.46,3383.86 4625.98,3383.86 4718.5,3383.86
GPIO0_A2_1V8: P24.1 U33.64 | length 118.3
  Top w3.94: v1(4382.28,2492.91) U33.64@4415.35,2492.91
  Bottom w3.94: P24.1@4312.99,2531.5 4338.58,2505.91 4369.29,2505.91 v1(4382.28,2492.91)
GPIO0_A5_1V8: P25.1 U33.68 | length 61
  Top w3.94: v1(4382.28,2524.41) U33.68@4415.35,2524.41
  Bottom w3.94: v1(4382.28,2524.41) 4400.79,2524.41 P25.1@4407.48,2517.72
GPIO1_C1: J11.31 U33.30 | length 3531.8
  Top w3.94: J11.31@1693.7,1877.56 1693.7,1511.02 v1(1710.63,1494.09) ; v1(4342.52,2214.57) 4366.14,2214.57 4376.77,2225.2 U33.30@4415.35,2225.2
  Bottom w3.94: v1(1710.63,1494.09) 1891.73,1494.09 2053.15,1332.68 2716.54,1332.68 3025.59,1641.73 3714.57,1641.73 4275.59,2202.76 4330.71,2202.76 v1(4342.52,2214.57)